# Altium PCB ReadCard.PcbDoc
Units mil, origin at the board's own origin, x right, y up, seen from the top; angles counter-clockwise.
Board outline 1850.39 x 2992.13 mil, 2 copper layers (Top Layer, Bottom Layer); 27 components, 18 nets, 133 pads, 26 vias.
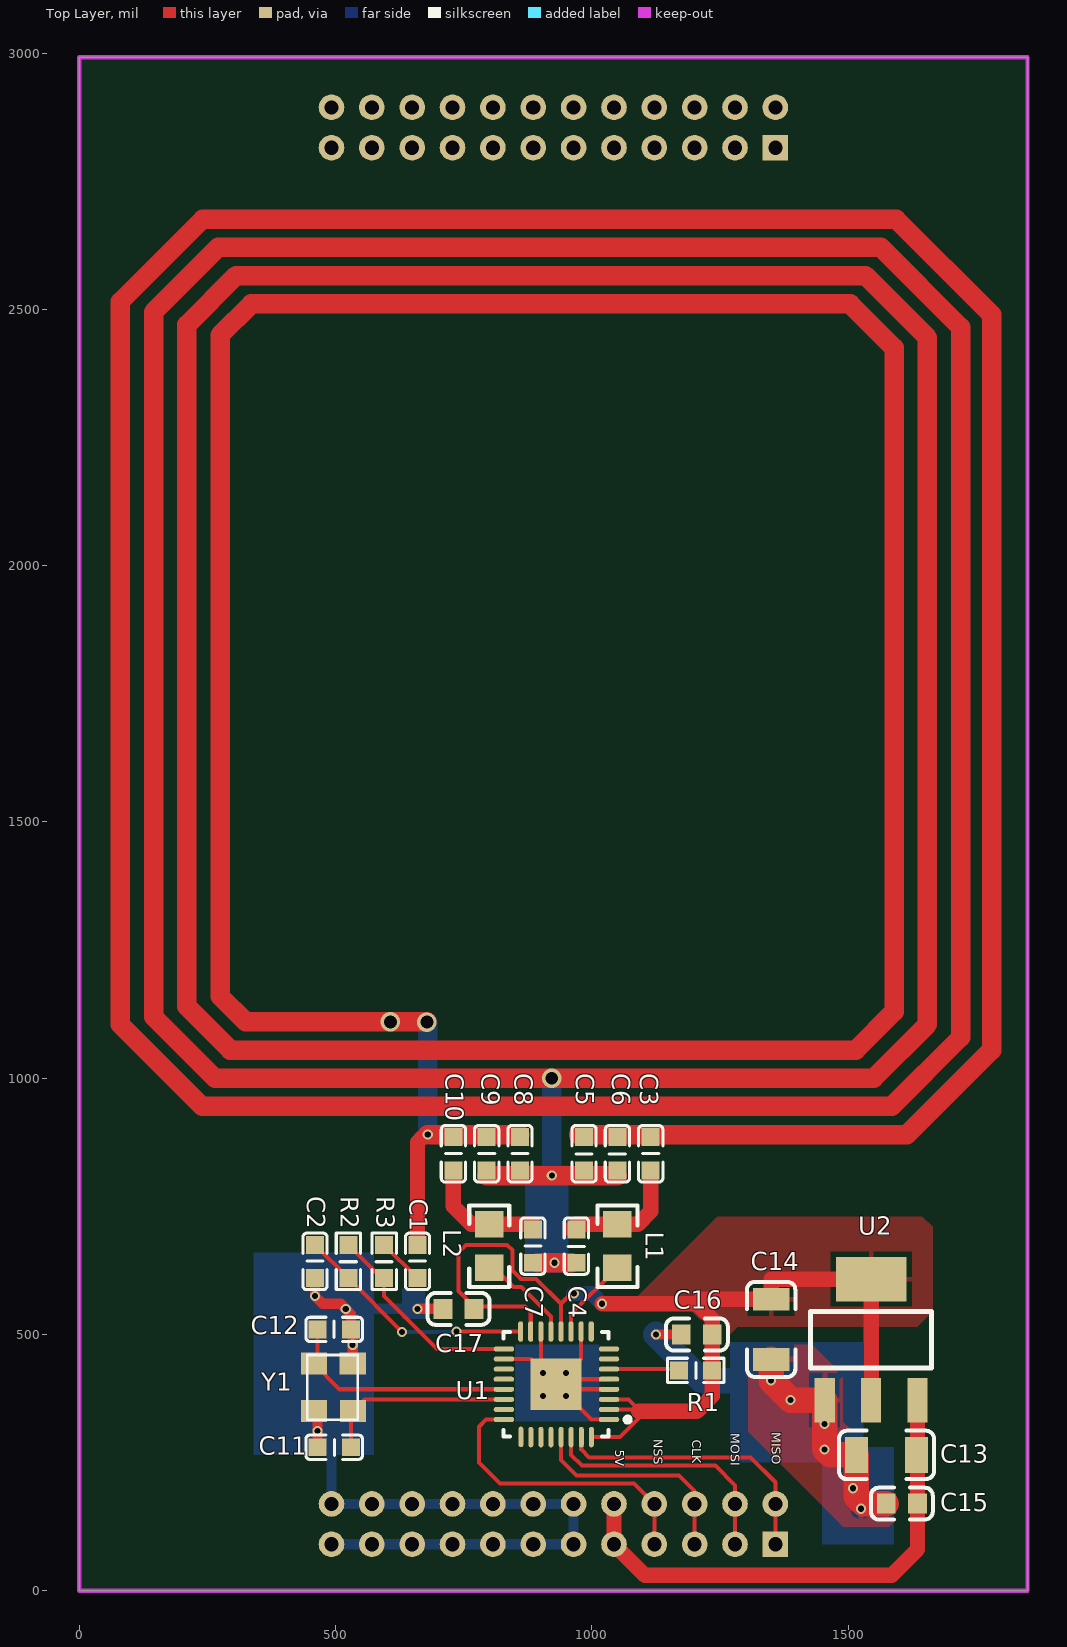
[diagram p0: Top Layer view]
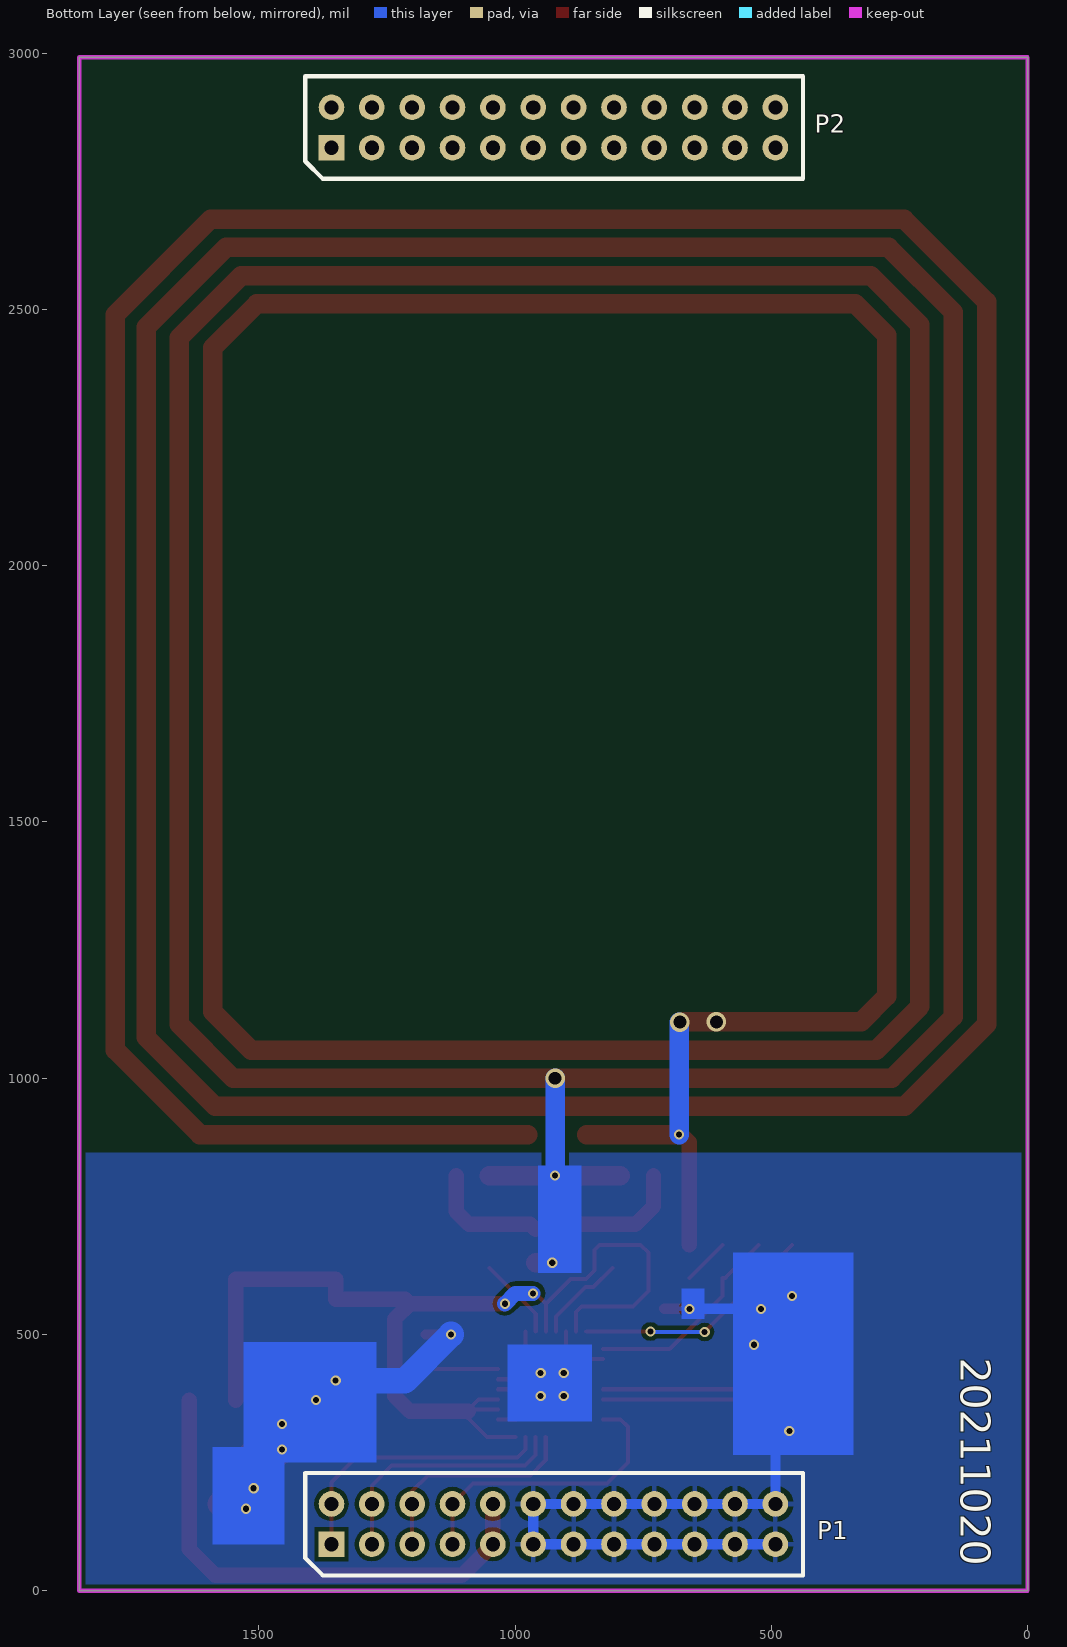
[diagram p1: Bottom Layer view, seen from below]

## Layer stack, top to bottom
Top Solder: solder mask 0.4, Solder Resist, Dk 3.5
Top Layer: signal copper 1.4
Dielectric 1: dielectric 12.6, FR-4, Dk 4.8
Bottom Layer: signal copper 1.4
Bottom Solder: solder mask 0.4, Solder Resist, Dk 3.5

## Board outline
0,0 0,2992.13 1850.39,2992.13 1850.39,0

## Design rules (kind name [scope] priority, off if disabled: settings)
Clearance [All] p1: gap=8
DiffPairsRouting [All] p1: maxlimit=10 minlimit=10 mostfreqgap=10 toplayer_minwidth=8 toplayer_maxwidth=15 toplayer_prefwidth=15 bottomlayer_minwidth=8 bottomlayer_maxwidth=15 bottomlayer_prefwidth=15 maxuncoupledlength=500
PolygonConnect [All] p1: connectstyle=Relief reliefconductorwidth=10 reliefentries=4 polygonreliefangle="90 Angle" airgapwidth=10
RoutingVias [All] p1: holewidth=28 width=50 viastyle="Through Hole" minholewidth=11.81 minwidth=19.68 maxholewidth=28 maxwidth=50
SolderMaskExpansion [All] p1: expansion=4
Width [All] p1: maxlimit=100 minlimit=8 preferedwidth=10 minimp=50.000000 maximp=50.000000 favimp=50.000000
29 further rules are at their usual default settings.

## Components (designator, comment, footprint, x,y, rotation, side; value= is the part's Value field where it differs from the comment)
C1 "104" 0603C 660,610 r90 top
C2 "104" 0603C 460,610 r90 top
C3 "51pF" 0603C 1115,820 r90 top
C4 "51pF" 0603C 970,705 r270 top
C5 "180pF" 0603C 985,885 r270 top
C6 "10pF" 0603C 1050,885 r270 top
C7 "51pF" 0603C 885,640 r90 top
C8 "180pF" 0603C 860,820 r90 top
C9 "10pF" 0603C 795,820 r90 top
C10 "51pF" 0603C 730,820 r90 top
C11 "15P" 0603c 465,280 r0 top
C12 "15P" 0603C 530,510 r180 top
C13 "10uF" 1206_C 1575,265 r180 top
C14 "10uF" 1206_C 1350,510 r270 top
C15 "0.1uF" 0603_C 1605,170 r180 top
C16 "0.1uF" 0603_C 1205,500 r180 top
C17 "0.1uF" 0603_C 740,550 r0 top
L1 "560nH" 0805r 1050,630 r90 top
L2 "560nH" 0805r 800,630 r90 top
P1 "Header 12X2" 12x2_2.0mm 1358.27,90.63 r180 bottom
P2 "Header 12X2" 12x2_2.0mm 1358.27,2815.63 r180 bottom
R1 "10k" 0603R 1170,430 r0 top
R2 "820" 0603R 525,675 r270 top
R3 "10k" 0603R 595,675 r270 top
U1 "RC523" RC522 935,405 r180 top
U2 "LM1117" SOT-223 1545,490 r270 top
Y1 "27.12M" 27.12M_3225 445,460 r0 top

## Footprints (in the part's own frame and the unit in brackets; to place one, negate y for a bottom-side part, rotate by r counter-clockwise, add the part's x,y. Pads: shape width x height; smd on the part's side, far side on the other; paste and mask are expansions set on the pad)
12x2_2.0mm [mm]
  rect 1.27x1.27 / inner round 1.524 / far side rect 1.27x1.27 hole 0.7: 1(0,0)
  round 1.27 / inner round 1.524 / far side round 1.27 hole 0.7: 2(0,2) 3(2,0) 4(2,2) 5(4,0) 6(4,2) 7(6,0) 8(6,2) 9(8,0) 10(8,2) 11(10,0) 12(10,2) 13(12,0) 14(12,2) 15(14,0) 16(14,2) 17(16,0) 18(16,2) 19(18,0) 20(18,2) 21(20,0) 22(20,2) 23(22,0) 24(22,2)
  silkscreen extent -1.3,-1.54 23.36,3.54
27.12M_3225 [mm]
  rect 1.3x1.1 smd: 1(0.325,-0.425) 2(2.25,-0.425) 3(2.265,-2.775) 4(0.325,-2.775)
  silkscreen extent 0,-3.2 2.5,0
0603_C [mm]
  rect 0.93x0.98 smd: 1(-0.77,0) 2(0.77,0)
  silkscreen extent -1.53,-0.79 1.54,0.79, body extent -0.8,-0.4 0.8,0.4, height 0.3
0603C [mil]
  rect 35x35 smd: 1(0,0) 2(65,0)
  silkscreen extent -23,-24 88,24
0603c [mil]
  rect 35x35 smd: 1(0,0) 2(65,0)
  silkscreen extent -23,-24 88,24
0603R [mil]
  rect 35x35 smd: 1(0,0) 2(65,0)
  silkscreen extent -23,-24 88,24
0805r [mil]
  rect 52x56 smd: 1(0,0) 2(85,0)
  silkscreen extent -37,-39 122,39
1206_C [mm]
  rect 1.13x1.8 smd: 1(-1.49,0) 2(1.49,0)
  silkscreen extent -2.36,-1.2 2.35,1.2, body extent -1.6,-0.81 1.6,0.79, height 1
RC522 [mil]
  oval 40x9.84 smd: 1(-98.67,70.99) 2(-98.67,51.3) 3(-98.67,31.62) 4(-98.67,11.93) 5(-98.67,-7.75) 6(-98.67,-27.44) 7(-98.67,-47.12) 8(-98.67,-66.81) 17(106.35,-66.81) 18(106.35,-47.12) 19(106.35,-27.44) 20(106.35,-7.75) 21(106.35,11.93) 22(106.35,31.62) 23(106.35,51.3) 24(106.35,70.99)
  oval 9.84x40 smd: 9(-64,-100.84) 10(-44.32,-100.84) 11(-24.63,-100.84) 12(-4.95,-100.84) 13(14.74,-100.84) 14(34.42,-100.84) 15(54.11,-100.84) 16(73.79,-100.84) 25(73.32,104.79) 26(53.88,105.22) 27(34.19,105.22) 28(14.51,105.22) 29(-5.18,105.22) 30(-24.86,105.22) 31(-44.55,105.22) 32(-64.23,105.22)
  rect 100x100 smd: 33(4.69,2.09)
  silkscreen extent -140,-100 107,104
SOT-223 [mm]
  rect 2.2x1 smd: 1(3,-2.3) 2(3,0) 3(3,2.3)
  rect 2.2x3.5 smd: 2(-3,0)
  silkscreen extent -1.4,-3 1.4,3, body extent -3.49,-3.24 3.49,3.24, height 1.64

## Part data
C1 C2 C3 C4 C5 C6 C7 C8 C9 C10 C11 C12: library part CAP, "Capacitor"
C13 C14: library part CAPACITOR, "贴片电容，1206"
C15 C16 C17: library part Cap, "贴片电容，0603"
L1 L2: library part INDUCTOR1
P1 P2: "Header, 12-Pin, Dual row, 2.0mm"
R1 R2 R3: library part RES2
Y1: library part XTAL

## Via types
v1: diameter 19.68, hole 11.81, Top Layer to Bottom Layer, 23 vias
v2: diameter 38, hole 25, Top Layer to Bottom Layer, 3 vias

## Nets (pads, with @x,y where several pads share a name; then routed paths per layer and width w, separated by ;. In a path a pad name is that pad's centre, name@x,y a point inside that pad or via, vN(x,y) a via of type N, cw(c..) or ccw(c..) an arc to the next point about the centre after c; other vN are vias at no path point)
GND: C2.1 C4.2 C5.2 C6.2 C7.1 C8.1 C9.1 C11.1 C12.1 C13.2 C14.2 C15.2 C16.2 C17.1 P1.11 P1.12 P1.13 P1.14 P1.15 P1.16 P1.17 P1.18 P1.19 P1.20 P1.21 P1.22 P1.23 P1.24 U1.1 U1.4 U1.5 U1.10 U1.14 U1.18 U2.1 Y1.2 Y1.4 | length 3764.2
  Top Layer w8: U1.18 881.1,452.12 900.58,432.65 U1.14 ; v1@908.22,425 930.31,402.91 ; v1@950,383.22 930.31,402.91 ; U1.10 979.32,451.92 940.15,412.75 ; U1.1 999.21,334.01 940.16,393.07 U1.4 ; U1.5 940.15,412.75 ; 930.31,402.91 940.15,412.75
  Top Layer w20: Y1.4 465,343.54 v1(465,311.77) C11.1 ; C2.1 v1(460,575) 475,560 510,560 v1(520,550) 530,540 C12.1 ; Y1.2 v1(533.58,480) C12.1@533.58,506.42 ; v1(660,550) C17.1 ; v1(1125,500) C16.2
  Top Layer w38: C9.1@795,810 v1(922.01,810) C6.2@1050,810 ; C7.1@895,640 v1(927.5,640) C4.2@960,640
  Top Layer w50: C14.2 v1(1350,410) v1(1388.11,371.89) U2.1 v1(1454.45,275.55) 1465,265 C13.2 1516.34,183.66 1530,170 C15.2
  Bottom Layer w20: P1.23 P1.21 P1.19 P1.17 P1.15 P1.13 P1.11 P1.12 P1.14 P1.16 P1.18 P1.20 P1.22 P1.24 492.13,284.65 v1(465,311.77) 533.58,380.35 v1(533.58,480) ; v1(520,550) v1(660,550)
  Bottom Layer w38: v1(922.01,810) 922.01,645.49 v1(927.5,640)
  Bottom Layer w50: v1(1125,500) 1215,410 v1(1350,410)
  other v1: 1525,160 1510,200 1454.45,325 905,380 950,380 905,425 950,425
NetC1_1: C1.1 R3.1 | length 91.9
  Top Layer w8: R3.1 C1.1
NetC1_2: C1.2 C3.2 C5.1 C6.1 C8.2 C9.2 C10.2 | length 24218.7
  Top Layer w30: C1.2 660,875 670,885
  Top Layer w38: v2@678.01,1110.01 324.99,1110.01 275,1160 275,2450 336.01,2511.01 1503.99,2511.01 1590,2425 1590,1130 1515.01,1055.01 294.99,1055.01 210,1140 210,2470 306.01,2566.01 1533.99,2566.01 1655,2445 1655,1105 1550.01,1000.01 264.99,1000.01 145,1120 145,2495 271.01,2621.01 1563.99,2621.01 1720,2465 1720,1080 1585.01,945.01 239.99,945.01 80,1105 80,2515 241.01,2676.01 1593.99,2676.01 1780,2490 1780,1055 1615.01,890.01 C5.1@975,890.01 ; v1(680,890) C8.2@860,890
  Bottom Layer w38: v1(680,890) v2@680,1109.46 ; 922.01,810 v2(922.01,1000.01)
  other v2: 678.28,1109.46 607.21,1110.01
NetC2_2: C2.2 R2.2 U1.16 | length 472
  Top Layer w8: C2.2 R2.2 v1(630,505) ; v1(735.84,505.84) U1.16
  Bottom Layer w8: v1(630,505) 735,505 v1(735.84,505.84)
NetC3_1: C3.1 C4.1 L1.2 | length 239.5
  Top Layer w30: C4.1@960,705 970,715 L1.2 1090,715 1115,740 C3.1@1115,810
NetC7_2: C7.2 C10.1 L2.2 | length 229.5
  Top Layer w30: C10.1@730,810 730,750 765,715 810,715 C7.2@885,715
NetL1_1: L1.1 U1.11 | length 161.6
  Top Layer w8: U1.11 959.63,539.63 L1.1
NetL2_1: L2.1 U1.13 | length 178.6
  Top Layer w8: L2.1@810,630 847.5,592.5 862.5,592.5 920.26,534.74 U1.13
NetR1_1: R1.1 U1.6 | length 133.9
  Top Layer w8: U1.6 R1.1@1167.56,432.44
NetR2_1: R2.1 R3.2 U1.17 | length 408.3
  Top Layer w8: R2.1 590,610 R3.2 595,575 698.19,471.81 U1.17
RC523_X1: C12.2 U1.21 Y1.1 | length 451.2
  Top Layer w8: Y1.1 508,393.07 U1.21 ; Y1.1@465,450.47 C12.2
RC523_X2: C11.2 U1.22 Y1.3 | length 370.4
  Top Layer w8: C11.2 Y1.3@530,346.58 ; Y1.3 556.8,373.38 U1.22
SPI_CLK: P1.5 P1.6 U1.29 | length 434.3
  Top Layer w8: U1.29 940.18,254.82 970,225 1170,225 1200.79,194.21 P1.6 P1.5
SPI_MISO: P1.1 P1.2 U1.31 | length 550.5
  Top Layer w8: U1.31 979.55,275.45 995,260 1310,260 1358.27,211.73 P1.2 P1.1
SPI_MOSI: P1.3 P1.4 U1.30 | length 493.9
  Top Layer w8: U1.30 959.86,265.14 981,244 1241,244 1279.53,205.47 P1.4 P1.3
SPI_NSS: P1.7 P1.8 U1.24 | length 578.6
  Top Layer w8: U1.24 794.01,334.01 780,320 780,250 821,209 1082.42,209 P1.8 P1.7
VCC3.3V: C14.1 C16.1 C17.2 R1.2 U1.2 U1.3 U1.12 U1.15 U1.32 U2.2 | length 2099.9
  Top Layer w8: U1.15 880.89,544.11 870,555 770,555 740,585 740,660 755,675 835,675 845,665 845,625 861.5,608.5 891.4,608.5 939.95,559.95 ; U1.12 939.95,559.95 ; v1(965,580) 960,580 939.95,559.95 ; U1.32 1054.78,299.78 1091.3,336.3 1091.3,353.7 ; U1.2 1091.3,353.7 ; U1.3 1071.62,373.38 1091.3,353.7
  Top Layer w30: v1(1020.05,559.95) 1205.05,559.95 ; 1091.3,350 1205,350 1235,380 R1.2 1235,530 1205.05,559.95 ; U2.2@1545,371.89 1545,608.11 1350,608.11 C14.1 1213.77,568.66 1205.05,559.95
  Bottom Layer w30: v1(965,580) 1000,580 v1(1020.05,559.95)
VCC5V: C13.1 C15.1 P1.9 P1.10 U2.3 | length 1008.4
  Top Layer w30: P1.10 P1.9 1103.94,30 1585,30 1635.55,80.55 U2.3
pads on no net: P2.1 P2.2 P2.3 P2.4 P2.5 P2.6 P2.7 P2.8 P2.9 P2.10 P2.11 P2.12 P2.13 P2.14 P2.15 P2.16 P2.17 P2.18 P2.19 P2.20 P2.21 P2.22 P2.23 P2.24 U1.7 U1.8 U1.9 U1.19 U1.20 U1.23 U1.25 U1.26 U1.27 U1.28 U1.33

## Polygon pours and split planes (outlines as drawn)
GND on Bottom Layer "Bottom Layer-No Net" (solid, remove dead copper, pour order 4): -150,-65 -150,855 1005,855 1925,855 1925,-75
GND on Top Layer "Bottom Layer-No Net" (solid, remove dead copper, pour order 8): 1320,480 1430,480 1465,445 1490,420 1490,345 1490,330 1515,305 1535,305 1550,290 1550,240 1550,235 1580,205 1595,190 1595,165 1595,140 1580,125 1490,125 1475,140 1305,310 1305,430 1305,470 1310,475 1315,480 1320,480
VCC3.3V on Top Layer "Bottom Layer-No Net" (solid, remove dead copper, pour order 6): 1580,730 1245,730 1170,655 1090,575 1090,559.95 1104.95,545 1135,545 1195,545 1220,520 1240,500 1240,460 1240,470 1255,485 1285,515 1470,515 1635,515 1665,545 1665,710 1650,725 1645,730 1585,730

## Keep-outs
Keep-Out Layer:
  the board outline again, w8

## Other copper
Bottom Layer:
  rectangle net GND: 1449.45,90 1590,280.55
  rectangle net GND: 1270,250 1530,485
  rectangle net GND: 630,530 675,590
  rectangle net GND: 870,620 955,830
  rectangle net GND: 340,265 575,660
  rectangle net GND: 850,330 1015,480

## Silkscreen, mask and mechanical layers (free items; w line width, h text height)
Top Overlay:
  text "MISO" at 1345,308.9 h30 r270
  text "MOSI" at 1265,307.7 h30 r270
  text "NSS" at 1115,295.26 h30 r270
  text "CLK" at 1190,294.32 h30 r270
  text "5V" at 1040,275 h30 r270
Bottom Overlay:
  text "20211020" at 150,455 h100 r90

## Dimensions
0,2992.13 to 1850.39,2992.13 on Top Overlay
0,2992.13 to 0,0 on Top Overlay

## Text inside footprints (layer, text, board x,y; h text height)
P1: Mechanical 8 "2" at 1348.27,169.37 h25; Mechanical 8 "1" at 1348.27,90.63 h25; Mechanical 8 "5" at 1190.79,90.63 h25; Mechanical 8 "6" at 1190.79,169.37 h25; Mechanical 8 "11" at 944.57,90.63 h25; Mechanical 8 "12" at 944.57,169.37 h25; Mechanical 8 "9" at 1033.31,90.63 h25; Mechanical 8 "7" at 1112.05,90.63 h25; Mechanical 8 "10" at 1023.31,169.37 h25; Mechanical 8 "8" at 1112.05,169.37 h25; Mechanical 8 "16" at 787.09,169.37 h25; Mechanical 8 "20" at 629.61,169.37 h25; Mechanical 8 "19" at 629.61,90.63 h25; Mechanical 8 "18" at 708.35,169.37 h25; Mechanical 8 "17" at 708.35,90.63 h25; Mechanical 8 "13" at 865.83,90.63 h25; Mechanical 8 "4" at 1269.53,169.37 h25; Mechanical 8 "14" at 865.83,169.37 h25; Mechanical 8 "15" at 787.09,90.63 h25; Mechanical 8 "3" at 1269.53,90.63 h25
P2: Mechanical 8 "2" at 1348.27,2894.37 h25; Mechanical 8 "1" at 1348.27,2815.63 h25; Mechanical 8 "5" at 1190.79,2815.63 h25; Mechanical 8 "6" at 1190.79,2894.37 h25; Mechanical 8 "11" at 944.57,2815.63 h25; Mechanical 8 "12" at 944.57,2894.37 h25; Mechanical 8 "9" at 1033.31,2815.63 h25; Mechanical 8 "7" at 1112.05,2815.63 h25; Mechanical 8 "10" at 1023.31,2894.37 h25; Mechanical 8 "8" at 1112.05,2894.37 h25; Mechanical 8 "16" at 787.09,2894.37 h25; Mechanical 8 "20" at 629.61,2894.37 h25; Mechanical 8 "19" at 629.61,2815.63 h25; Mechanical 8 "18" at 708.35,2894.37 h25; Mechanical 8 "17" at 708.35,2815.63 h25; Mechanical 8 "13" at 865.83,2815.63 h25; Mechanical 8 "4" at 1269.53,2894.37 h25; Mechanical 8 "14" at 865.83,2894.37 h25; Mechanical 8 "15" at 787.09,2815.63 h25; Mechanical 8 "3" at 1073.27,2415.83 h25